# KiCad board IotKnob.kicad_pcb (continued)
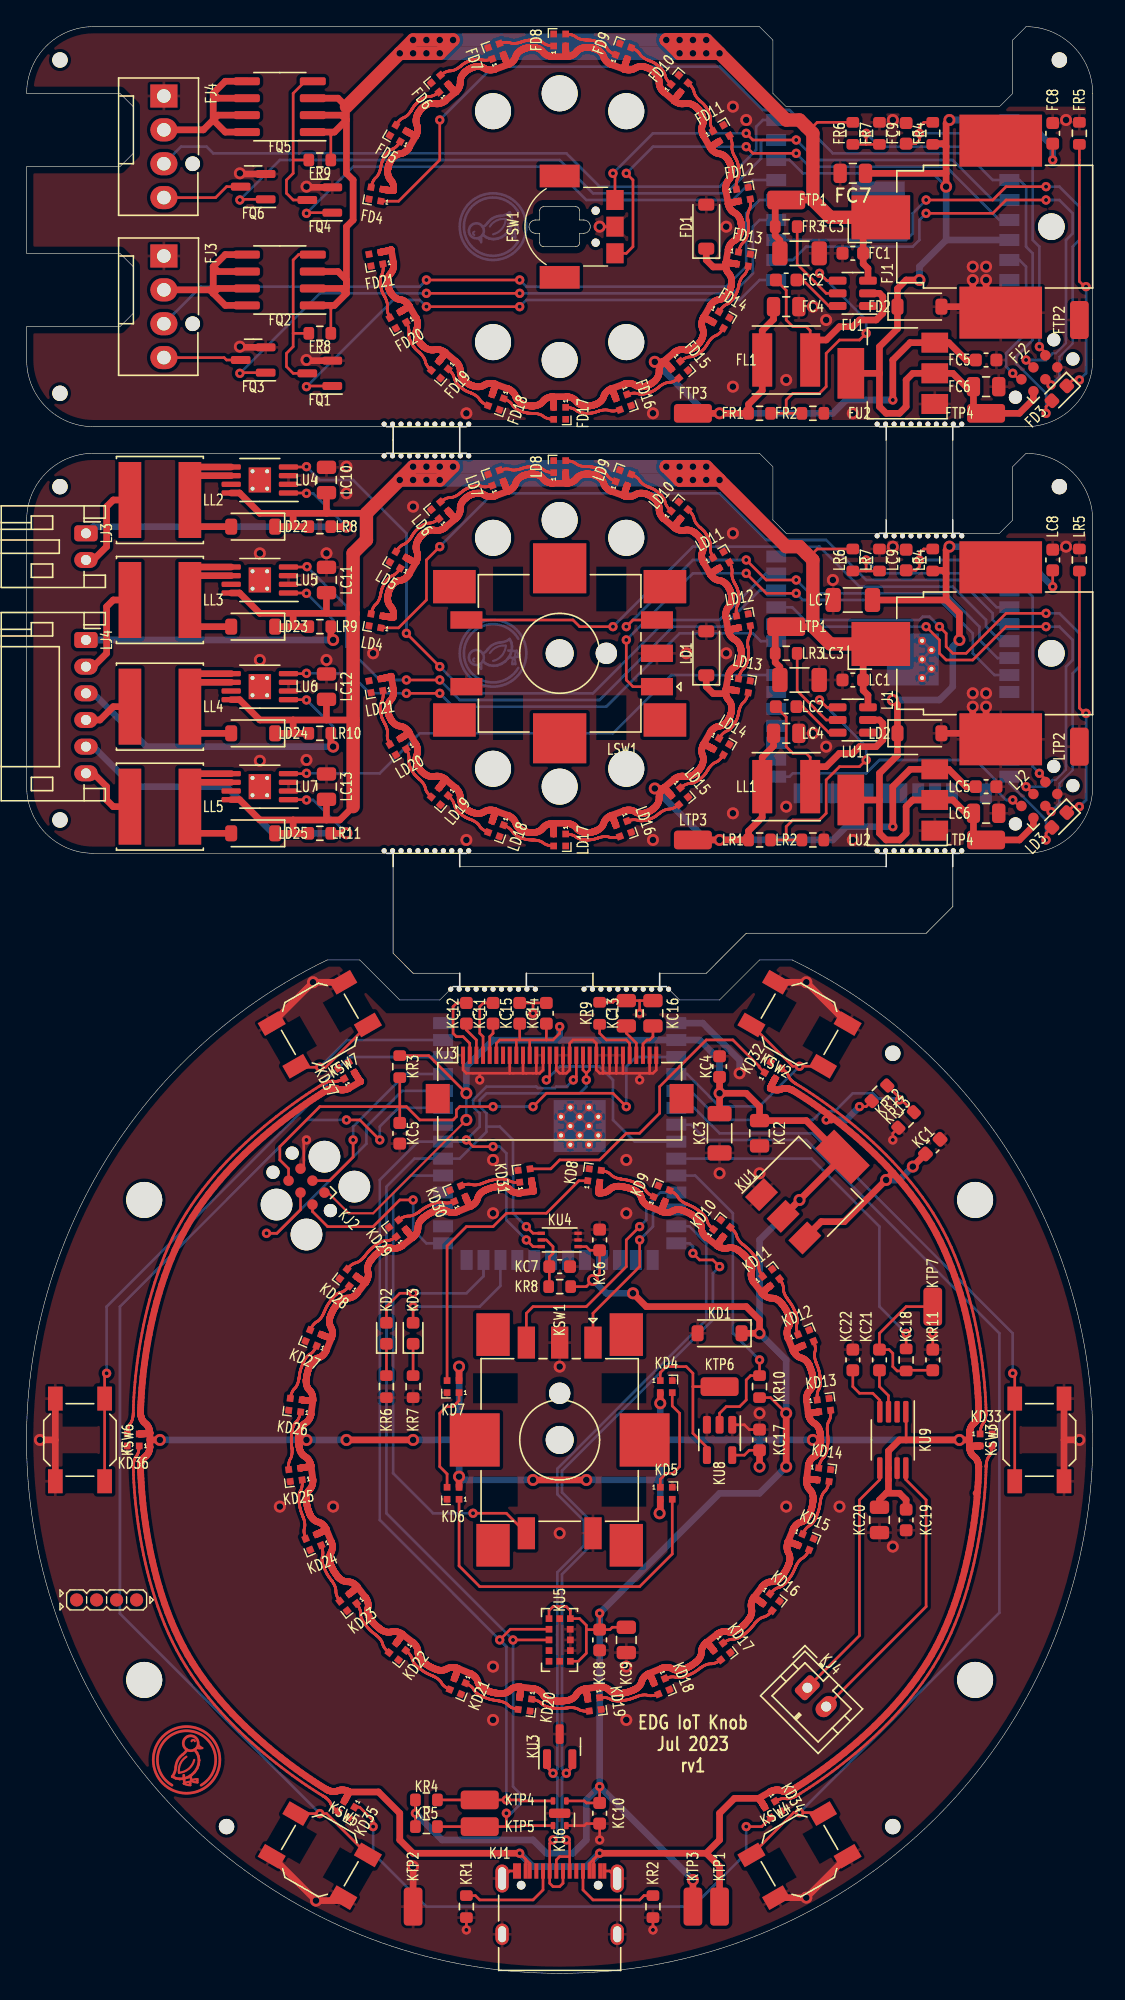
[diagram p0: board, top side]
## Routing (per net, layer and track width the routed paths; a pad name or vN(x,y) marks a point on that pad's centre or on a via; arc(x,y) is an arc through that point) (continued)
46.65,22.46 46.63,22.45 46.61,22.44 46.57,22.41 46.52,22.38 46.5,22.36 46.47,22.35 46.45,22.32 46.42,22.3 46.39,22.28 46.37,22.25 46.34,22.23 46.32,22.2 46.3,22.17 46.27,22.14 46.25,22.11 46.23,22.07 46.21,22.04 46.19,22 46.18,21.96 46.17,21.92 46.15,21.88 46.14,21.84 46.13,21.8 46.11,21.76 46.1,21.73 46.08,21.69 46.06,21.66 46.03,21.62 46.01,21.59 45.99,21.56 45.96,21.54 45.94,21.51 45.91,21.49 45.89,21.46 45.86,21.44 45.81,21.4 45.79,21.38 45.74,21.35 45.7,21.32 45.68,21.31 45.66,21.3 45.64,21.29 45.62,21.28 45.59,21.27 45.58,21.26 45.57,21.26 45.55,21.25 45.52,21.24 45.48,21.23 45.47,21.22 45.42,21.2 45.36,21.18 45.34,21.17 45.31,21.16 45.29,21.15 45.27,21.15 45.24,21.14 45.22,21.13 45.2,21.12 45.17,21.11 45.13,21.1 45.09,21.09 45.07,21.08 45.03,21.07 45.01,21.07 44.99,21.06 44.97,21.06 44.92,21.05 44.89,21.04 44.87,21.04 44.84,21.03 44.82,21.03 44.75,21.02 44.73,21.01 44.7,21.01 44.68,21.01 44.66,21 44.64,21 44.62,21 44.61,21 44.56,20.99 44.53,20.98 44.5,20.98 44.47,20.98 44.45,20.98 44.43,20.98 44.38,20.98 44.36,20.98 44.3,20.98 44.27,20.99 44.24,20.99 44.17,21 44.14,21.01 44.11,21.02 44.07,21.03 44.03,21.04 44,21.05 43.96,21.07 43.93,21.09 43.89,21.11 43.86,21.13 43.83,21.15 43.79,21.18 43.76,21.2 43.7,21.26 43.67,21.29 43.64,21.32 43.6,21.34 43.57,21.36 43.54,21.38 43.5,21.4 43.47,21.41 43.43,21.43 43.39,21.44 43.36,21.45 43.33,21.46 43.26,21.47 43.23,21.48 43.19,21.48 43.16,21.48 43.11,21.49 43.08,21.49 43.02,21.49 42.97,21.48 42.94,21.48 41.95,21.35 ; 46.71,22.49 46.72,22.49 46.73,22.47 46.74,22.46 46.76,22.43 46.77,22.4 46.78,22.39 46.79,22.37 46.81,22.34 46.81,22.32 46.83,22.28 46.85,22.26 46.86,22.23 46.87,22.21 46.88,22.19 46.89,22.16 46.9,22.14 46.92,22.11 46.92,22.09 46.94,22.07 46.96,22.02 46.97,22 46.97,21.98 46.98,21.96 47,21.92 47.02,21.89 47.03,21.84 47.05,21.82 47.05,21.8 47.06,21.78 KD18.2 ; KD14.2 59.3,37.01 59.27,37.01 59.25,37.02 59.23,37.02 59.18,37.03 59.16,37.03 59.1,37.03 59.07,37.04 59.03,37.04 59,37.04 58.95,37.05 58.93,37.05 58.77,37.06 58.72,37.07 58.7,37.07 58.68,37.07 58.65,37.07 58.62,37.07 58.61,37.07 58.58,37.07 58.56,37.07 58.54,37.07 58.53,37.06 58.53,37.06 ; 70.75,39.51 70.76,39.51 70.79,39.52 70.81,39.52 70.82,39.52 70.84,39.53 70.86,39.53 70.87,39.53 70.89,39.53 70.92,39.53 70.94,39.53 70.99,39.54 71.02,39.54 71.04,39.54 71.07,39.54 71.1,39.54 71.28,39.55 71.3,39.55 71.32,39.55 71.34,39.55 71.36,39.55 71.38,39.55 71.4,39.55 71.42,39.56 71.47,39.56 71.49,39.56 KD33.2 ; 70.75,39.51 70.75,40.01 ; 22.11,47.9 22.14,47.89 22.18,47.87 22.21,47.86 22.23,47.86 22.26,47.84 22.28,47.83 22.3,47.83 22.34,47.81 22.37,47.8 22.39,47.79 22.41,47.79 22.48,47.76 22.51,47.75 22.53,47.74 22.61,47.72 22.63,47.71 22.7,47.69 22.72,47.68 22.73,47.67 22.78,47.66 22.81,47.65 22.83,47.65 22.85,47.64 22.87,47.64 22.87,47.64 ; KD8.2 42.99,59.3 42.99,59.28 42.99,59.25 42.99,59.24 42.98,59.19 42.98,59.17 42.97,59.1 42.97,59.08 42.97,59.03 42.96,59.01 42.96,58.96 42.95,58.93 42.94,58.77 42.94,58.73 42.94,58.71 42.94,58.69 42.94,58.65 42.94,58.62 42.94,58.61 42.94,58.59 42.94,58.57 42.94,58.54 42.94,58.53 42.97,58.53 43.02,58.53 43.08,58.53 43.11,58.53 43.16,58.53 43.19,58.53 43.23,58.54 43.26,58.54 43.33,58.56 43.36,58.57 43.39,58.58 43.43,58.59 43.47,58.6 43.5,58.62 43.54,58.63 43.57,58.65 43.6,58.67 43.64,58.7 43.67,58.72 43.7,58.75 43.76,58.81 43.79,58.84 43.83,58.86 43.86,58.89 43.89,58.91 43.93,58.93 43.96,58.94 44,58.96 44.03,58.97 44.07,58.98 44.11,58.99 44.14,59 44.17,59.01 44.24,59.02 44.27,59.03 44.3,59.03 44.36,59.03 44.38,59.03 44.43,59.03 44.45,59.03 44.47,59.03 44.51,59.03 44.52,59.03 44.59,59.02 44.61,59.02 44.62,59.01 44.64,59.01 44.66,59.01 44.68,59.01 44.7,59 44.73,59 44.75,59 44.82,58.98 44.84,58.98 44.87,58.97 44.89,58.97 44.92,58.97 44.97,58.96 44.99,58.95 45.01,58.95 45.07,58.93 45.11,58.92 45.13,58.91 45.17,58.9 45.2,58.89 45.22,58.88 45.24,58.88 45.27,58.87 45.29,58.86 45.31,58.85 45.34,58.84 45.36,58.83 45.4,58.82 45.47,58.79 45.48,58.79 45.53,58.77 45.56,58.76 45.57,58.75 45.59,58.74 45.61,58.74 45.62,58.73 45.64,58.72 45.66,58.71 45.68,58.7 45.7,58.69 45.74,58.66 45.79,58.63 45.81,58.61 45.86,58.57 45.89,58.55 45.91,58.53 45.94,58.5 45.96,58.48 45.99,58.45 46.01,58.42 46.03,58.39 46.06,58.36 46.08,58.32 46.1,58.29 46.11,58.25 46.13,58.21 46.14,58.17 46.15,58.13 46.17,58.09 46.18,58.05 46.19,58.01 46.21,57.97 46.23,57.94 46.25,57.91 46.27,57.87 46.3,57.84 46.32,57.81 46.34,57.79 46.37,57.76 46.39,57.73 46.42,57.71 46.45,57.69 46.47,57.67 46.5,57.65 46.52,57.63 46.57,57.6 46.61,57.57 46.63,57.56 46.65,57.55 46.67,57.54 46.69,57.53 46.71,57.52 46.71,57.52 47.64,57.14 ; 20.41,40.01 v1(21,40.01) ; 57.51,46.72 57.52,46.73 57.54,46.74 57.55,46.75 57.58,46.77 57.6,46.78 57.62,46.79 57.63,46.79 57.67,46.81 57.68,46.82 57.73,46.84 57.75,46.85 57.77,46.86 57.8,46.88 57.82,46.89 57.84,46.9 57.87,46.91 57.89,46.92 57.92,46.93 57.94,46.94 57.98,46.96 58,46.97 58.02,46.98 58.04,46.99 58.08,47.01 58.12,47.02 58.16,47.04 58.19,47.05 58.21,47.06 58.23,47.07 KD12.2 ; 57.51,46.72 57.52,46.7 57.54,46.67 57.55,46.66 57.56,46.64 57.57,46.62 57.59,46.58 57.62,46.53 57.64,46.5 57.66,46.48 57.68,46.45 57.7,46.43 57.73,46.4 57.75,46.38 57.78,46.35 57.81,46.33 57.84,46.3 57.87,46.28 57.9,46.26 57.93,46.24 57.97,46.22 58,46.2 58.04,46.19 58.08,46.17 58.12,46.16 58.17,46.15 58.21,46.14 58.24,46.12 58.28,46.1 58.32,46.08 58.35,46.06 58.38,46.04 58.41,46.02 58.44,46 58.47,45.97 58.5,45.95 58.52,45.92 58.55,45.89 58.57,45.87 58.61,45.82 58.62,45.79 58.66,45.75 58.68,45.7 58.69,45.68 58.7,45.67 58.71,45.65 58.72,45.62 58.73,45.6 58.74,45.59 58.75,45.58 58.75,45.55 58.77,45.52 58.78,45.49 58.79,45.47 58.8,45.43 58.83,45.37 58.84,45.34 58.84,45.32 58.85,45.3 58.86,45.27 58.87,45.25 58.88,45.23 58.89,45.2 58.89,45.18 58.91,45.14 58.92,45.1 58.92,45.08 58.94,45.04 58.94,45.02 58.94,44.99 58.95,44.97 58.96,44.92 58.96,44.9 58.97,44.88 58.97,44.85 58.98,44.83 58.99,44.76 58.99,44.73 59,44.71 59,44.69 59,44.67 59.01,44.65 59.01,44.63 59.01,44.61 59.02,44.57 59.02,44.53 59.03,44.5 59.03,44.47 59.03,44.46 59.03,44.44 59.03,44.39 59.03,44.36 59.02,44.31 59.02,44.28 59.02,44.25 59,44.18 59,44.15 58.99,44.11 58.98,44.08 58.97,44.04 58.95,44.01 58.94,43.97 58.92,43.94 58.9,43.9 58.88,43.87 58.86,43.83 58.83,43.8 58.8,43.77 58.74,43.71 58.72,43.68 58.69,43.64 58.67,43.61 58.65,43.58 58.63,43.54 58.61,43.51 58.59,43.47 58.58,43.44 58.57,43.4 58.56,43.37 58.55,43.33 58.54,43.26 58.53,43.23 58.53,43.2 58.52,43.17 58.52,43.11 58.52,43.09 58.52,43.02 58.52,42.97 58.52,42.95 58.66,41.96 ; 57.51,46.72 57.13,47.64 57.13,47.66 57.12,47.67 57.12,47.68 57.11,47.69 57.11,47.71 57.1,47.73 57.1,47.75 57.08,47.8 57.08,47.83 57.07,47.89 57.06,47.95 57.06,48.02 57.06,48.06 57.06,48.09 57.06,48.13 57.06,48.17 57.07,48.2 57.08,48.24 57.09,48.28 57.1,48.32 57.11,48.36 57.13,48.4 57.15,48.43 57.19,48.51 57.21,48.55 57.22,48.58 57.24,48.62 57.25,48.66 57.26,48.7 57.27,48.74 57.27,48.77 57.28,48.81 57.28,48.85 57.28,48.92 57.28,48.96 57.27,49.02 57.27,49.05 57.26,49.08 57.26,49.11 57.25,49.14 57.25,49.17 57.23,49.21 57.22,49.25 57.21,49.27 57.21,49.29 57.2,49.31 57.18,49.36 57.16,49.39 57.16,49.41 57.15,49.43 57.14,49.45 57.13,49.47 57.12,49.49 57.11,49.51 57.09,49.55 57.08,49.57 57.06,49.62 57.05,49.64 57.03,49.69 57.02,49.71 57.01,49.73 57,49.75 56.99,49.77 56.98,49.79 56.96,49.82 56.95,49.84 56.94,49.86 56.92,49.88 56.91,49.9 56.9,49.92 56.86,49.98 56.84,50 56.8,50.06 56.77,50.09 56.76,50.11 56.73,50.15 56.72,50.16 56.7,50.19 56.68,50.22 56.67,50.23 56.67,50.24 56.63,50.28 56.62,50.29 56.61,50.3 56.6,50.31 56.55,50.36 56.53,50.38 56.49,50.42 56.47,50.44 56.44,50.46 56.42,50.47 56.39,50.49 56.36,50.51 56.33,50.53 56.3,50.55 56.26,50.56 56.23,50.58 56.19,50.59 56.16,50.61 56.12,50.62 56.08,50.63 56.04,50.63 56,50.64 55.96,50.64 55.91,50.64 55.87,50.64 55.83,50.65 55.79,50.65 55.75,50.66 55.71,50.67 55.67,50.68 55.64,50.69 55.6,50.7 55.56,50.72 55.53,50.74 55.5,50.75 55.47,50.77 55.44,50.79 55.41,50.81 55.39,50.83 55.36,50.85 55.34,50.87 55.29,50.9 55.27,50.92 55.24,50.96 55.19,51.01 55.18,51.02 55.18,51.02 ; 37.89,59.44 37.9,59.42 37.9,59.41 37.91,59.36 37.91,59.34 37.91,59.32 37.92,59.26 37.92,59.24 37.93,59.22 37.93,59.2 37.94,59.13 37.95,59.1 37.95,59.08 37.96,59.05 37.96,59.03 37.97,59 37.98,58.92 37.99,58.87 38,58.85 38,58.81 38.01,58.78 38.02,58.74 38.03,58.71 38.04,58.68 38.05,58.66 37.06,58.53 37,58.53 36.98,58.53 36.92,58.53 36.89,58.53 36.84,58.53 36.81,58.53 36.77,58.54 36.74,58.54 36.67,58.56 36.64,58.57 36.61,58.58 36.57,58.59 36.53,58.6 36.5,58.62 36.46,58.63 36.43,58.65 36.4,58.67 36.36,58.7 36.33,58.72 36.3,58.75 36.24,58.81 36.21,58.84 36.17,58.86 36.14,58.89 36.11,58.91 36.07,58.93 36.04,58.94 36,58.96 35.97,58.97 35.93,58.98 35.89,58.99 35.86,59 35.83,59.01 35.76,59.02 35.73,59.03 35.7,59.03 35.64,59.03 35.62,59.03 35.57,59.03 35.55,59.03 35.53,59.03 35.49,59.03 35.48,59.03 35.41,59.02 35.39,59.02 35.38,59.01 35.36,59.01 35.34,59.01 35.32,59.01 35.3,59 35.27,59 35.25,59 35.18,58.98 35.16,58.98 35.13,58.97 35.11,58.97 35.08,58.97 35.03,58.96 35.01,58.95 34.99,58.95 34.93,58.93 34.89,58.92 34.87,58.91 34.83,58.9 34.8,58.89 34.78,58.88 34.76,58.88 34.73,58.87 34.71,58.86 34.69,58.85 34.66,58.84 34.64,58.83 34.6,58.82 34.53,58.79 34.52,58.79 34.47,58.77 34.44,58.76 34.43,58.75 34.41,58.74 34.39,58.74 34.38,58.73 34.36,58.72 34.34,58.71 34.32,58.7 34.3,58.69 34.26,58.66 34.21,58.63 34.19,58.61 34.14,58.57 34.11,58.55 34.09,58.53 34.06,58.5 34.04,58.48 34.01,58.45 33.99,58.42 33.97,58.39 33.94,58.36 33.92,58.32 33.9,58.29 33.89,58.25 33.87,58.21 33.86,58.17 33.85,58.13 33.83,58.09 33.82,58.05 33.81,58.01 33.79,57.97 33.77,57.94 33.75,57.91 33.73,57.87 33.7,57.84 33.68,57.81 33.66,57.79 33.63,57.76 33.61,57.73 33.58,57.71 33.55,57.69 33.53,57.67 33.5,57.65 33.48,57.63 33.43,57.6 33.39,57.57 33.37,57.56 33.35,57.55 33.33,57.54 33.31,57.53 33.29,57.52 33.29,57.52 ; 57.13,32.37 57.13,32.36 57.12,32.35 57.12,32.33 57.11,32.32 57.11,32.3 57.1,32.28 57.1,32.26 57.08,32.21 57.08,32.18 57.07,32.13 57.06,32.06 57.06,31.99 57.06,31.96 57.06,31.92 57.06,31.88 57.06,31.85 57.07,31.81 57.08,31.77 57.09,31.73 57.1,31.69 57.11,31.66 57.13,31.62 57.15,31.58 57.19,31.51 57.21,31.47 57.22,31.43 57.24,31.39 57.25,31.35 57.26,31.31 57.27,31.28 57.27,31.24 57.28,31.2 57.28,31.16 57.28,31.09 57.28,31.06 57.27,30.99 57.27,30.96 57.26,30.93 57.26,30.9 57.25,30.87 57.25,30.85 57.23,30.8 57.22,30.77 57.21,30.74 57.21,30.72 57.2,30.7 57.18,30.65 57.16,30.62 57.16,30.6 57.15,30.59 57.14,30.57 57.13,30.55 57.12,30.53 57.11,30.51 57.09,30.46 57.08,30.44 57.06,30.39 57.05,30.37 57.03,30.33 57.02,30.31 57.01,30.29 57,30.27 56.99,30.25 56.98,30.23 56.96,30.19 56.95,30.18 56.94,30.16 56.92,30.14 56.91,30.12 56.9,30.1 56.86,30.04 56.84,30.02 56.8,29.96 56.77,29.92 56.76,29.9 56.73,29.87 56.72,29.85 56.7,29.82 56.68,29.79 56.67,29.78 56.67,29.77 56.63,29.73 56.62,29.72 56.61,29.71 56.6,29.7 56.55,29.65 56.53,29.63 56.49,29.6 56.47,29.58 56.44,29.56 56.42,29.54 56.39,29.52 56.36,29.5 56.33,29.48 56.3,29.47 56.26,29.45 56.23,29.43 56.19,29.42 56.16,29.41 56.12,29.4 56.08,29.39 56.04,29.38 56,29.37 55.96,29.37 55.91,29.37 55.87,29.37 55.83,29.37 55.79,29.36 55.75,29.36 55.71,29.35 55.67,29.34 55.64,29.32 55.6,29.31 55.56,29.29 55.53,29.28 55.5,29.26 55.47,29.24 55.44,29.22 55.41,29.2 55.39,29.18 55.36,29.16 55.34,29.15 55.29,29.11 55.27,29.09 55.24,29.06 55.19,29.01 55.18,28.99 55.18,28.99 54.57,28.2 ; 57.13,32.37 57.51,33.29 57.52,33.32 57.54,33.34 57.55,33.36 57.56,33.38 57.57,33.39 57.59,33.44 57.62,33.48 57.64,33.51 57.66,33.53 57.68,33.56 57.7,33.59 57.73,33.61 57.75,33.64 57.78,33.66 57.81,33.69 57.84,33.71 57.87,33.73 57.9,33.75 57.93,33.78 57.97,33.79 58,33.81 58.04,33.83 58.08,33.84 58.12,33.85 58.17,33.86 58.21,33.88 58.24,33.89 58.28,33.91 58.32,33.93 58.35,33.95 58.38,33.97 58.41,33.99 58.44,34.02 58.47,34.04 58.5,34.07 58.52,34.09 58.55,34.12 58.57,34.14 58.61,34.19 58.62,34.22 58.66,34.27 58.68,34.31 58.69,34.33 58.7,34.35 58.71,34.36 58.72,34.39 58.73,34.41 58.74,34.43 58.75,34.44 58.75,34.46 58.77,34.49 58.78,34.52 58.79,34.54 58.8,34.58 58.83,34.65 58.84,34.67 58.84,34.69 58.85,34.72 58.86,34.74 58.87,34.76 58.88,34.79 58.89,34.81 58.89,34.83 58.91,34.88 58.92,34.92 58.92,34.94 58.94,34.98 58.94,35 58.94,35.02 58.95,35.04 58.96,35.09 58.96,35.11 58.97,35.14 58.97,35.16 58.98,35.19 58.99,35.26 58.99,35.28 59,35.3 59,35.33 59,35.35 59.01,35.37 59.01,35.38 59.01,35.4 59.02,35.45 59.02,35.48 59.03,35.51 59.03,35.54 59.03,35.56 59.03,35.58 59.03,35.62 59.03,35.65 59.02,35.71 59.02,35.74 59.02,35.77 59,35.83 59,35.87 58.99,35.9 58.98,35.94 58.97,35.97 58.95,36.01 58.94,36.04 58.92,36.08 58.9,36.11 58.88,36.15 58.86,36.18 58.83,36.21 58.8,36.24 58.74,36.3 58.72,36.34 58.69,36.37 58.67,36.4 58.65,36.44 58.63,36.47 58.61,36.51 58.59,36.54 58.58,36.58 58.57,36.61 58.56,36.65 58.55,36.68 58.54,36.75 58.53,36.78 58.53,36.81 58.52,36.84 58.52,36.9 58.52,36.93 58.52,36.99 58.52,37.04 58.52,37.06 ; 57.13,32.37 57.15,32.37 57.17,32.37 57.19,32.36 57.25,32.34 57.27,32.34 57.28,32.33 57.3,32.33 57.37,32.31 57.39,32.3 57.47,32.27 57.49,32.26 57.56,32.24 57.59,32.23 57.61,32.22 57.63,32.21 57.68,32.19 57.7,32.19 57.72,32.18 57.74,32.17 57.77,32.16 57.79,32.15 57.82,32.14 57.85,32.12 57.88,32.11 57.89,32.11 ; 24.82,28.99 24.81,28.97 24.8,28.95 24.78,28.94 24.77,28.93 24.76,28.92 24.74,28.9 24.73,28.89 24.71,28.87 24.7,28.86 24.68,28.85 24.67,28.83 24.65,28.82 24.61,28.78 24.59,28.76 24.57,28.75 24.55,28.73 24.53,28.71 24.45,28.65 24.43,28.63 24.41,28.62 24.39,28.6 24.35,28.56 24.32,28.54 24.3,28.53 24.29,28.52 24.26,28.49 24.24,28.48 KD23.2 ; 24.82,28.99 25.43,28.2 25.45,28.16 25.47,28.14 25.48,28.12 25.5,28.08 25.52,28.06 25.53,28.03 25.54,28 25.55,27.98 25.56,27.95 25.58,27.92 25.59,27.88 25.6,27.85 25.62,27.78 25.62,27.75 25.63,27.71 25.63,27.67 25.64,27.63 25.64,27.59 25.64,27.55 25.63,27.51 25.63,27.47 25.62,27.43 25.6,27.35 25.59,27.3 25.58,27.26 25.58,27.22 25.58,27.18 25.58,27.14 25.58,27.11 25.59,27.07 25.59,27.03 25.6,26.99 25.61,26.96 25.62,26.92 25.63,26.89 25.64,26.86 25.65,26.83 25.66,26.8 25.68,26.77 25.69,26.74 25.7,26.72 25.71,26.7 25.74,26.66 25.76,26.62 25.78,26.59 25.81,26.55 25.82,26.54 25.86,26.48 25.89,26.45 25.9,26.44 25.94,26.38 25.96,26.36 26.02,26.29 26.07,26.23 26.09,26.21 26.1,26.2 26.15,26.15 26.19,26.11 26.21,26.09 26.23,26.08 26.28,26.03 26.36,25.97 26.38,25.95 26.43,25.91 26.45,25.89 26.49,25.86 26.52,25.83 26.53,25.83 26.56,25.8 26.58,25.78 26.6,25.77 26.62,25.76 26.65,25.74 26.69,25.72 26.71,25.71 26.74,25.7 26.76,25.68 26.79,25.67 26.82,25.66 26.85,25.65 26.88,25.63 26.92,25.62 26.95,25.61 26.99,25.61 27.02,25.6 27.06,25.59 27.1,25.59 27.14,25.59 27.18,25.59 27.22,25.59 27.26,25.59 27.3,25.6 27.34,25.6 27.42,25.63 27.46,25.63 27.5,25.64 27.55,25.64 27.58,25.64 27.62,25.64 27.66,25.64 27.7,25.64 27.74,25.63 27.78,25.62 27.84,25.6 27.88,25.59 27.91,25.58 27.94,25.57 27.97,25.56 28,25.55 28.02,25.53 28.05,25.52 28.07,25.51 28.11,25.49 28.13,25.48 28.16,25.46 28.19,25.44 ; v1(24,40.01) v1(29,40.01) ; 33.29,57.52 33.28,57.53 33.27,57.54 33.26,57.55 33.24,57.59 33.23,57.61 33.22,57.62 33.21,57.64 33.19,57.67 33.19,57.69 33.17,57.73 33.15,57.76 33.14,57.78 33.13,57.8 33.12,57.83 33.11,57.85 33.1,57.88 33.08,57.9 33.08,57.92 33.06,57.94 33.04,57.99 33.03,58.01 33.03,58.03 33.02,58.05 33,58.09 32.98,58.12 32.97,58.17 32.95,58.19 32.95,58.21 32.94,58.23 KD30.2 ; 33.29,57.52 32.36,57.14 32.35,57.13 32.34,57.13 32.33,57.12 32.31,57.12 32.3,57.11 32.28,57.11 32.25,57.1 32.2,57.09 32.18,57.09 32.12,57.08 32.06,57.07 31.99,57.06 31.95,57.06 31.92,57.06 31.88,57.07 31.84,57.07 31.8,57.08 31.76,57.08 31.72,57.09 31.69,57.1 31.65,57.12 31.61,57.13 31.57,57.15 31.5,57.2 31.46,57.21 31.42,57.23 31.39,57.24 31.35,57.26 31.31,57.26 31.27,57.27 31.23,57.28 31.19,57.28 31.16,57.28 31.08,57.28 31.05,57.28 30.98,57.28 30.95,57.27 30.92,57.27 30.89,57.26 30.87,57.26 30.84,57.25 30.8,57.24 30.76,57.23 30.73,57.22 30.72,57.21 30.69,57.2 30.65,57.18 30.62,57.17 30.6,57.16 30.58,57.16 30.56,57.15 30.54,57.14 30.52,57.13 30.5,57.12 30.45,57.1 30.43,57.09 30.39,57.07 30.36,57.06 30.32,57.04 30.3,57.03 30.28,57.01 30.26,57 30.24,56.99 30.22,56.98 30.19,56.96 30.17,56.95 30.15,56.94 30.13,56.93 30.11,56.92 30.09,56.9 30.03,56.86 30.01,56.85 29.95,56.81 29.91,56.78 29.89,56.76 29.86,56.74 29.84,56.73 29.81,56.71 29.79,56.69 29.78,56.68 29.77,56.67 29.73,56.64 29.72,56.63 29.71,56.62 29.69,56.61 29.64,56.56 29.63,56.54 29.59,56.5 29.57,56.48 29.55,56.45 29.53,56.42 29.51,56.4 29.49,56.37 29.48,56.34 29.46,56.3 29.44,56.27 29.43,56.24 29.41,56.2 29.4,56.16 29.39,56.13 29.38,56.09 29.37,56.05 29.37,56.01 29.36,55.96 29.36,55.92 29.36,55.88 29.36,55.84 29.36,55.79 29.35,55.75 29.34,55.72 29.33,55.68 29.32,55.64 29.3,55.61 29.29,55.57 29.27,55.54 29.25,55.51 29.23,55.48 29.22,55.45 29.2,55.42 29.18,55.39 29.16,55.37 29.14,55.34 29.1,55.3 29.08,55.28 29.05,55.25 29,55.2 28.98,55.19 28.98,55.19 ; 37.06,21.48 37.06,21.48 37.06,21.47 37.06,21.45 37.06,21.43 37.06,21.41 37.06,21.4 37.06,21.39 37.06,21.36 37.06,21.33 37.06,21.31 37.06,21.28 37.06,21.24 37.05,21.08 37.04,21.05 37.04,21 37.03,20.98 37.03,20.93 37.03,20.91 37.02,20.85 37.02,20.83 37.01,20.78 37.01,20.76 37.01,20.73 37,20.7 KD20.2 ; 37.06,21.48 38.05,21.35 38.09,21.35 38.1,21.34 38.14,21.33 38.16,21.33 38.18,21.32 38.21,21.31 38.26,21.29 38.32,21.27 38.35,21.26 38.38,21.24 38.41,21.23 38.44,21.21 38.47,21.19 38.5,21.17 38.53,21.15 38.56,21.12 38.59,21.1 38.62,21.07 38.65,21.04 38.68,21.01 38.7,20.98 38.72,20.94 38.75,20.91 38.77,20.87 38.79,20.83 38.82,20.8 38.84,20.77 38.87,20.74 38.9,20.71 38.93,20.69 38.99,20.64 39.02,20.62 39.05,20.6 39.08,20.59 39.11,20.57 39.14,20.56 39.17,20.54 39.2,20.53 39.26,20.51 39.31,20.49 39.33,20.49 39.35,20.48 39.39,20.47 39.42,20.47 39.43,20.46 39.44,20.46 39.46,20.46 39.48,20.46 39.5,20.46 39.53,20.45 39.58,20.45 39.6,20.44 39.65,20.44 39.67,20.44 39.72,20.43 39.74,20.43 39.84,20.42 39.87,20.42 39.89,20.42 39.96,20.41 40.04,20.41 40.11,20.42 40.13,20.42 40.16,20.42 40.26,20.43 40.28,20.43 40.33,20.44 40.35,20.44 40.4,20.44 40.42,20.45 40.47,20.45 40.5,20.46 40.52,20.46 40.55,20.46 40.56,20.46 40.57,20.46 40.58,20.47 40.61,20.47 40.65,20.48 40.67,20.49 40.69,20.49 40.74,20.51 40.8,20.53 40.83,20.54 40.86,20.56 40.89,20.57 40.92,20.59 40.95,20.6 40.98,20.62 41.01,20.64 41.07,20.69 41.1,20.71 41.13,20.74 41.16,20.77 41.18,20.8 41.21,20.83 41.23,20.87 41.25,20.91 41.28,20.94 41.3,20.98 41.32,21.01 41.35,21.04 41.38,21.07 41.41,21.1 41.44,21.12 41.47,21.15 41.5,21.17 41.53,21.19 41.56,21.21 41.59,21.23 41.62,21.24 41.65,21.26 41.68,21.27 41.74,21.29 41.79,21.31 41.82,21.32 41.84,21.33 41.86,21.33 41.9,21.34 41.91,21.35 41.95,21.35 41.95,21.35 ; 47.64,57.14 47.64,57.16 47.64,57.17 47.65,57.2 47.66,57.26 47.67,57.27 47.67,57.29 47.68,57.31 47.7,57.37 47.71,57.4 47.74,57.47 47.74,57.5 47.77,57.57 47.78,57.59 47.79,57.62 47.8,57.64 47.81,57.68 47.82,57.7 47.83,57.72 47.84,57.74 47.85,57.78 47.86,57.79 47.87,57.82 47.88,57.86 47.89,57.88 47.9,57.9 ; 47.64,57.14 47.65,57.13 47.66,57.13 47.67,57.12 47.69,57.12 47.7,57.11 47.72,57.11 47.75,57.1 47.8,57.09 47.82,57.09 47.88,57.08 47.94,57.07 48.01,57.06 48.05,57.06 48.08,57.06 48.12,57.07 48.16,57.07 48.2,57.08 48.24,57.08 48.28,57.09 48.31,57.1 48.35,57.12 48.39,57.13 48.43,57.15 48.5,57.2 48.54,57.21 48.58,57.23 48.61,57.24 48.65,57.26 48.69,57.26 48.73,57.27 48.77,57.28 48.81,57.28 48.84,57.28 48.92,57.28 48.95,57.28 49.02,57.28 49.05,57.27 49.08,57.27 49.11,57.26 49.13,57.26 49.16,57.25 49.2,57.24 49.24,57.23 49.27,57.22 49.28,57.21 49.31,57.2 49.35,57.18 49.38,57.17 49.4,57.16 49.42,57.16 49.44,57.15 49.46,57.14 49.48,57.13 49.5,57.12 49.55,57.1 49.57,57.09 49.61,57.07 49.64,57.06 49.68,57.04 49.7,57.03 49.72,57.01 49.74,57 49.76,56.99 49.78,56.98 49.81,56.96 49.83,56.95 49.85,56.94 49.87,56.93 49.89,56.92 49.91,56.9 49.97,56.86 49.99,56.85 50.05,56.81 50.09,56.78 50.11,56.76 50.14,56.74 50.16,56.73 50.19,56.71 50.21,56.69 50.22,56.68 50.23,56.67 50.27,56.64 50.28,56.63 50.29,56.62 50.31,56.61 50.36,56.56 50.37,56.54 50.41,56.5 50.43,56.48 50.45,56.45 50.47,56.42 50.49,56.4 50.51,56.37 50.52,56.34 50.54,56.3 50.56,56.27 50.57,56.24 50.59,56.2 50.6,56.16 50.61,56.13 50.62,56.09 50.63,56.05 50.63,56.01 50.64,55.96 50.64,55.92 50.64,55.88 50.64,55.84 50.64,55.79 50.65,55.75 50.66,55.72 50.67,55.68 50.68,55.64 50.7,55.61 50.71,55.57 50.73,55.54 50.75,55.51 50.77,55.48 50.78,55.45 50.8,55.42 50.82,55.39 50.84,55.37 50.86,55.34 50.9,55.3 50.92,55.28 50.95,55.25 51,55.2 51.02,55.19 51.02,55.19 51.81,54.58 ; 58.52,37.06 58.66,38.05 58.66,38.09 58.67,38.11 58.67,38.14 58.68,38.17 58.69,38.19 58.69,38.21 58.71,38.27 58.73,38.33 58.75,38.36 58.76,38.39 58.78,38.42 58.8,38.45 58.81,38.48 58.84,38.51 58.86,38.54 58.88,38.57 58.91,38.6 58.94,38.63 58.96,38.66 59,38.68 59.03,38.71 59.06,38.73 59.1,38.75 59.14,38.77 59.17,38.8 59.2,38.82 59.24,38.85 59.27,38.88 59.29,38.9 59.32,38.93 59.36,38.99 59.38,39.03 59.4,39.06 59.42,39.09 59.44,39.12 59.45,39.15 59.47,39.18 59.48,39.21 59.5,39.26 59.51,39.32 59.52,39.34 59.53,39.36 59.53,39.4 59.54,39.43 59.54,39.44 59.54,39.45 59.55,39.47 59.55,39.49 59.55,39.5 59.56,39.53 59.56,39.59 59.56,39.61 59.57,39.66 59.57,39.68 59.58,39.73 59.58,39.75 59.59,39.85 59.59,39.87 59.59,39.9 59.59,39.97 59.59,40.03 ; 28.98,55.19 28.96,55.2 28.95,55.21 28.94,55.22 28.92,55.24 28.91,55.25 28.89,55.27 28.88,55.28 28.87,55.29 28.86,55.31 28.84,55.32 28.83,55.34 28.81,55.36 28.78,55.4 28.76,55.42 28.74,55.44 28.72,55.46 28.71,55.48 28.64,55.56 28.63,55.58 28.61,55.59 28.6,55.61 28.56,55.66 28.53,55.69 28.52,55.7 28.51,55.72 28.49,55.75 28.47,55.77 KD29.2 ; 28.98,55.19 28.19,54.58 28.16,54.56 28.13,54.54 28.11,54.53 28.07,54.5 28.05,54.49 28.02,54.48 28,54.47 27.97,54.45 27.94,54.44 27.91,54.43 27.88,54.42 27.84,54.41 27.78,54.39 27.74,54.38 27.7,54.38 27.66,54.37 27.62,54.37 27.58,54.37 27.55,54.37 27.5,54.37 27.46,54.38 27.42,54.39 27.34,54.41 27.3,54.42 27.26,54.42 27.22,54.43 27.18,54.43 27.14,54.43 27.1,54.42 27.06,54.42 27.02,54.41 26.99,54.41 26.95,54.4 26.92,54.39 26.88,54.38 26.85,54.37 26.82,54.36 26.79,54.34 26.76,54.33 26.74,54.32 26.71,54.31 26.69,54.29 26.65,54.27 26.62,54.25 26.58,54.23 26.54,54.2 26.53,54.19 26.48,54.15 26.45,54.12 26.43,54.11 26.38,54.06 26.36,54.05 26.28,53.98 26.23,53.93 26.21,53.92 26.19,53.9 26.15,53.86 26.1,53.81 26.09,53.8 26.07,53.78 26.02,53.73 25.96,53.65 25.94,53.63 25.9,53.58 25.89,53.56 25.85,53.51 25.83,53.49 25.82,53.48 25.8,53.45 25.78,53.42 25.77,53.4 25.76,53.39 25.74,53.36 25.71,53.32 25.7,53.29 25.69,53.27 25.68,53.24 25.66,53.21 25.65,53.19 25.64,53.15 25.63,53.12 25.62,53.09 25.61,53.06 25.6,53.02 25.59,52.98 25.59,52.95 25.58,52.91 25.58,52.87 25.58,52.83 25.58,52.79 25.58,52.75 25.59,52.71 25.6,52.67 25.62,52.58 25.63,52.54 25.63,52.5 25.64,52.46 25.64,52.42 25.64,52.38 25.63,52.34 25.63,52.31 25.62,52.27 25.62,52.23 25.6,52.16 25.59,52.13 25.58,52.1 25.56,52.07 25.55,52.04 25.54,52.01 25.53,51.98 25.52,51.96 25.5,51.93 25.48,51.89 25.47,51.88 25.45,51.85 25.43,51.82 ; 24.19,13.6 24.18,13.58 24.17,13.56 24.16,13.54 24.16,13.52 24.15,13.51 24.14,13.5 24.14,13.48 24.13,13.46 24.11,13.42 24.1,13.4 24.09,13.38 24.05,13.31 24,13.21 23.99,13.19 23.98,13.17 23.97,13.15 23.96,13.13 23.95,13.11 23.94,13.09 23.93,13.07 23.91,13.04 23.89,13 23.87,12.98 23.86,12.94 23.85,12.93 23.84,12.91 ; 24.19,13.6 26.4,13.6 28,12.01 28,10.01 29,9.01 v2(37,9.01) ; v1(32.45,45.51) KD7.2 ; 28.19,25.43 28.19,25.42 28.17,25.39 28.16,25.37 28.15,25.36 28.14,25.34 28.12,25.31 28.11,25.3 28.1,25.28 28.09,25.26 28.08,25.24 28.07,25.22 27.99,25.11 27.96,25.07 27.95,25.05 27.92,25.01 27.89,24.97 27.88,24.95 27.84,24.9 27.83,24.89 27.81,24.86 27.8,24.85 27.79,24.83 27.78,24.82 27.77,24.8 27.76,24.79 KD22.2 ; KTP1.1 52,8.01 51,9.01 ; KC1.1 v1(66.5,60.51) ; 58.66,41.96 58.66,41.92 58.67,41.91 58.67,41.87 58.68,41.85 58.69,41.82 58.69,41.8 58.71,41.74 58.73,41.69 58.75,41.66 58.76,41.63 58.78,41.6 58.8,41.56 58.81,41.53 58.84,41.5 58.86,41.47 58.88,41.44 58.91,41.41 58.94,41.38 58.96,41.36 59,41.33 59.03,41.31 59.06,41.28 59.1,41.26 59.14,41.24 59.17,41.22 59.2,41.19 59.24,41.16 59.27,41.14 59.29,41.11 59.32,41.08 59.36,41.02 59.38,40.99 59.4,40.96 59.42,40.93 59.44,40.89 59.45,40.86 59.47,40.83 59.48,40.8 59.5,40.75 59.51,40.7 59.52,40.67 59.53,40.65 59.53,40.62 59.54,40.59 59.54,40.58 59.54,40.56 59.55,40.54 59.55,40.52 59.55,40.51 59.56,40.48 59.56,40.42 59.56,40.4 59.57,40.36 59.57,40.33 59.58,40.29 59.58,40.26 59.59,40.16 59.59,40.14 59.59,40.12 59.59,40.05 59.59,40.03 ; 58.66,41.96 58.67,41.97 58.69,41.97 58.73,41.99 58.76,41.99 58.79,42 58.82,42.01 58.84,42.01 58.87,42.02 58.92,42.03 59,42.04 59.02,42.05 59.05,42.05 59.07,42.05 59.1,42.06 59.17,42.07 59.19,42.08 59.22,42.08 59.24,42.08 59.3,42.09 59.31,42.09 59.33,42.1 59.35,42.1 59.39,42.11 59.4,42.11 59.43,42.11 59.44,42.11 ; 51,9.01 v2(43,9.01) ; 54.57,28.2 54.58,28.19 54.62,28.18 54.64,28.17 54.64,28.16 54.67,28.15 54.69,28.13 54.71,28.12 54.73,28.11 54.74,28.1 54.76,28.09 54.78,28.07 54.89,28 54.93,27.97 54.95,27.95 55,27.93 55.03,27.9 55.05,27.88 55.1,27.85 55.12,27.84 55.15,27.81 55.16,27.8 55.17,27.8 55.19,27.79 55.2,27.77 55.21,27.77 KD16.2 ; 54.57,28.2 54.55,28.16 54.53,28.14 54.52,28.12 54.5,28.08 54.48,28.06 54.47,28.03 54.46,28 54.45,27.98 54.44,27.95 54.42,27.92 54.41,27.88 54.4,27.85 54.38,27.78 54.38,27.75 54.37,27.71 54.37,27.67 54.36,27.63 54.36,27.59 54.36,27.55 54.37,27.51 54.37,27.47 54.38,27.43 54.4,27.35 54.41,27.3 54.42,27.26 54.42,27.22 54.42,27.18 54.42,27.14 54.42,27.11 54.41,27.07 54.41,27.03 54.4,26.99 54.39,26.96 54.38,26.92 54.37,26.89 54.36,26.86 54.35,26.83 54.34,26.8 54.32,26.77 54.31,26.74 54.3,26.72 54.29,26.7 54.26,26.66 54.24,26.62 54.22,26.59 54.19,26.55 54.18,26.54 54.14,26.48 54.11,26.45 54.1,26.44 54.06,26.38 54.04,26.36 53.98,26.29 53.93,26.23 53.91,26.21 53.9,26.2 53.85,26.15 53.81,26.11 53.79,26.09 53.77,26.08 53.72,26.03 53.64,25.97 53.62,25.95 53.57,25.91 53.55,25.89 53.51,25.86 53.48,25.83 53.47,25.83 53.44,25.8 53.42,25.78 53.4,25.77 53.38,25.76 53.35,25.74 53.31,25.72 53.29,25.71 53.26,25.7 53.24,25.68 53.21,25.67 53.18,25.66 53.15,25.65 53.12,25.63 53.08,25.62 53.05,25.61 53.01,25.61 52.98,25.6 52.94,25.59 52.9,25.59 52.86,25.59 52.82,25.59 52.78,25.59 52.74,25.59 52.7,25.6 52.66,25.6 52.58,25.63 52.54,25.63 52.5,25.64 52.45,25.64 52.42,25.64 52.38,25.64 52.34,25.64 52.3,25.64 52.26,25.63 52.22,25.62 52.16,25.6 52.12,25.59 52.09,25.58 52.06,25.57 52.03,25.56 52,25.55 51.98,25.53 51.95,25.52 51.93,25.51 51.89,25.49 51.87,25.48 51.84,25.46 51.81,25.44 51.02,24.83 ; 59.59,40.03 59.02,40.03 v1(59,40.01) ; 70.75,40.01 70.75,40.52 70.75,40.56 70.75,40.58 70.76,40.6 70.76,40.62 70.77,40.67 70.77,40.7 70.78,40.73 70.79,40.79 70.8,40.82 70.81,40.85 70.83,40.88 70.84,40.92 70.85,40.95 70.87,40.98 70.89,41.02 70.91,41.05 70.93,41.08 70.95,41.11 70.98,41.14 71,41.17 71.03,41.2 71.07,41.23 71.13,41.28 71.16,41.31 71.19,41.34 71.22,41.37 71.25,41.4 71.27,41.43 71.29,41.46 71.31,41.5 71.33,41.53 71.35,41.56 71.36,41.6 71.37,41.63 71.39,41.66 71.4,41.7 71.41,41.73 71.42,41.79 71.43,41.82 71.43,41.84 71.44,41.89 71.44,41.91 71.45,41.93 71.45,41.98 71.45,42.01 71.45,42.03 71.45,42.11 71.45,42.24 71.44,42.41 71.43,42.63 71.42,42.89 71.41,43.19 71.38,43.53 71.35,43.9 71.32,44.31 71.28,44.75 71.22,45.21 71.16,45.71 71.09,46.23 71.01,46.77 70.91,47.33 70.81,47.91 70.69,48.51 70.55,49.12 70.4,49.74 70.24,50.38 70.06,51.02 69.86,51.66 69.64,52.31 69.41,52.95 69.15,53.6 68.87,54.24 68.58,54.88 68.26,55.51 67.92,56.12 67.55,56.73 67.17,57.32 66.77,57.89 66.35,58.45 65.92,59 65.47,59.53 65.02,60.04 ; v1(32.45,37.26) KD6.2 ; 55.18,51.02 55.19,51.04 55.2,51.06 55.22,51.07 55.23,51.09 55.24,51.09 55.26,51.11 55.27,51.13 55.29,51.14 55.3,51.15 55.32,51.17 55.33,51.18 55.35,51.2 55.39,51.23 55.41,51.25 55.43,51.27 55.45,51.28 55.47,51.3 55.55,51.36 55.57,51.38 55.59,51.39 55.61,51.41 55.65,51.45 55.68,51.47 55.7,51.48 55.71,51.49 55.74,51.52 55.76,51.53 KD11.2 ; 55.18,51.02 54.57,51.82 54.55,51.85 54.53,51.88 54.52,51.89 54.5,51.93 54.48,51.96 54.47,51.98 54.46,52.01 54.45,52.04 54.44,52.07 54.42,52.1 54.41,52.13 54.4,52.16 54.38,52.23 54.38,52.27 54.37,52.31 54.37,52.34 54.36,52.38 54.36,52.42 54.36,52.46 54.37,52.5 54.37,52.54 54.38,52.58 54.4,52.67 54.41,52.71 54.42,52.75 54.42,52.79 54.42,52.83 54.42,52.87 54.42,52.91 54.41,52.95 54.41,52.98 54.4,53.02 54.39,53.06 54.38,53.09 54.37,53.12 54.36,53.15 54.35,53.19 54.34,53.21 54.32,53.24 54.31,53.27 54.3,53.29 54.29,53.32 54.26,53.36 54.24,53.39 54.22,53.42 54.19,53.46 54.18,53.48 54.14,53.53 54.11,53.56 54.1,53.58 54.06,53.63 54.04,53.65 53.98,53.73 53.93,53.78 53.91,53.8 53.9,53.81 53.85,53.86 53.81,53.9 53.79,53.92 53.77,53.93 53.72,53.98 53.64,54.05 53.62,54.06 53.57,54.11 53.55,54.12 53.51,54.16 53.48,54.18 53.47,54.19 53.44,54.21 53.42,54.23 53.4,54.24 53.38,54.25 53.35,54.27 53.31,54.29 53.29,54.31 53.26,54.32 53.24,54.33 53.21,54.34 53.18,54.36 53.15,54.37 53.12,54.38 53.08,54.39 53.05,54.4 53.01,54.41 52.98,54.41 52.94,54.42 52.9,54.42 52.86,54.43 52.82,54.43 52.78,54.43 52.74,54.42 52.7,54.42 52.66,54.41 52.58,54.39 52.54,54.38 52.5,54.37 52.45,54.37 52.42,54.37 52.38,54.37 52.34,54.37 52.3,54.38 52.26,54.38 52.22,54.39 52.16,54.41 52.12,54.42 52.09,54.43 52.06,54.44 52.03,54.45 52,54.47 51.98,54.48 51.95,54.49 51.93,54.5 51.89,54.53 51.87,54.54 51.84,54.56 51.81,54.58 ; 41.95,21.35 41.96,21.34 41.97,21.31 41.98,21.28 41.98,21.25 41.99,21.22 42,21.18 42,21.16 42.01,21.14 42.02,21.09 42.03,21.01 42.04,20.99 42.04,20.96 42.05,20.93 42.05,20.91 42.06,20.84 42.07,20.81 42.07,20.79 42.08,20.77 42.08,20.71 42.09,20.69 42.09,20.67 42.09,20.66 42.1,20.62 42.1,20.6 42.11,20.57 42.11,20.57 ; 25.43,51.82 24.82,51.02 24.81,51.01 24.76,50.96 24.73,50.92 24.71,50.9 24.66,50.87 24.64,50.85 24.61,50.83 24.59,50.81 24.56,50.79 24.53,50.77 24.5,50.75 24.47,50.74 24.44,50.72 24.4,50.7 24.36,50.69 24.33,50.68 24.29,50.67 24.25,50.66 24.21,50.65 24.17,50.65 24.13,50.64 24.09,50.64 24.04,50.64 24,50.64 23.96,50.63 23.92,50.63 23.88,50.62 23.84,50.61 23.81,50.59 23.77,50.58 23.74,50.56 23.7,50.55 23.67,50.53 23.64,50.51 23.61,50.49 23.58,50.47 23.56,50.46 23.53,50.44 23.51,50.42 23.47,50.38 23.45,50.36 23.4,50.31 23.39,50.3 23.38,50.29 23.37,50.28 23.34,50.25 23.33,50.23 23.3,50.19 23.28,50.16 23.27,50.15 23.24,50.11 23.23,50.09 23.2,50.06 23.16,50 23.14,49.98 23.1,49.92 23.09,49.9 23.08,49.88 23.06,49.86 23.05,49.84 23.02,49.79 23.01,49.77 23,49.75 22.99,49.73 22.98,49.71 22.97,49.69 22.95,49.64 22.94,49.62 22.92,49.57 22.9,49.53 22.89,49.51 22.88,49.49 22.87,49.47 22.86,49.45 22.85,49.43 22.84,49.41 22.84,49.39 22.82,49.35 22.8,49.31 22.79,49.27 22.78,49.25 22.77,49.21 22.75,49.17 22.75,49.14 22.74,49.11 22.74,49.08 22.73,49.05 22.73,49.02 22.72,48.96 22.72,48.92 22.72,48.85 22.72,48.81 22.73,48.77 22.73,48.74 22.74,48.7 22.75,48.66 22.76,48.62 22.78,48.58 22.79,48.55 22.81,48.51 22.85,48.43 22.87,48.4 22.89,48.36 22.9,48.32 22.91,48.28 22.92,48.24 22.93,48.2 22.94,48.17 22.94,48.13 22.94,48.09 22.94,48.06 22.94,48.02 22.94,47.95 22.93,47.89 22.92,47.83 22.92,47.8 22.9,47.75 22.9,47.73 22.89,47.71 22.89,47.69 22.88,47.68 22.88,47.67 22.87,47.65 22.87,47.64 ; v1(47.55,42.76) KD4.2 ; 51.02,24.83 51.04,24.81 51.05,24.8 51.06,24.79 51.08,24.77 51.09,24.77 51.11,24.74 51.12,24.73 51.13,24.72 51.14,24.7 51.16,24.69 51.17,24.67 51.19,24.65 51.22,24.61 51.24,24.59 51.26,24.57 51.28,24.55 51.29,24.53 51.36,24.46 51.37,24.44 51.39,24.42 51.4,24.4 51.44,24.35 51.47,24.32 51.48,24.31 51.49,24.3 51.51,24.26 51.53,24.25 KD17.2 ; 65.02,60.04 61.36,56.38 59.63,56.38 KU1.3 ; 65.02,60.04 64.56,60.53 64.1,61.01 63.64,61.47 63.17,61.91 62.71,62.33 62.25,62.73 61.8,63.12 61.36,63.48 60.93,63.82 60.52,64.14 ; v2(60,64.01) 60.38,64.01 60.52,64.14 ; v1(38,37.01) v1(42,37.01)
  Bottom w0.5: v2(62.5,65.01) 61.5,64.01 v2(60,64.01) ; v1(32.45,45.51) 32.45,40.01 ; 32.45,40.01 v1(32.45,37.26) 32.7,37.01 v1(38,37.01) ; 32.45,40.01 v1(29,40.01) ; 55,40.01 47.55,40.01 ; 55,40.01 v1(59,40.01) v1(70,40.01) ; 55,40.01 v1(55,38.01) ; 47.55,40.01 47.55,37.26 ; 47.55,40.01 v1(47.55,42.76) ; v1(42,37.01) 47.3,37.01 47.55,37.26 ; v2(43,9.01) 42,8.01 38,8.01 v2(37,9.01) ; 47.55,37.26 47.55,34.56 v1(47.5,34.51) ; v1(10,40.01) v1(21,40.01) v1(24,40.01) ; v1(64.5,59.5) 65.5,59.5 v1(66.5,60.51)
